# Altium PCB Urukul.PcbDoc (part 7 of 12) (continued)
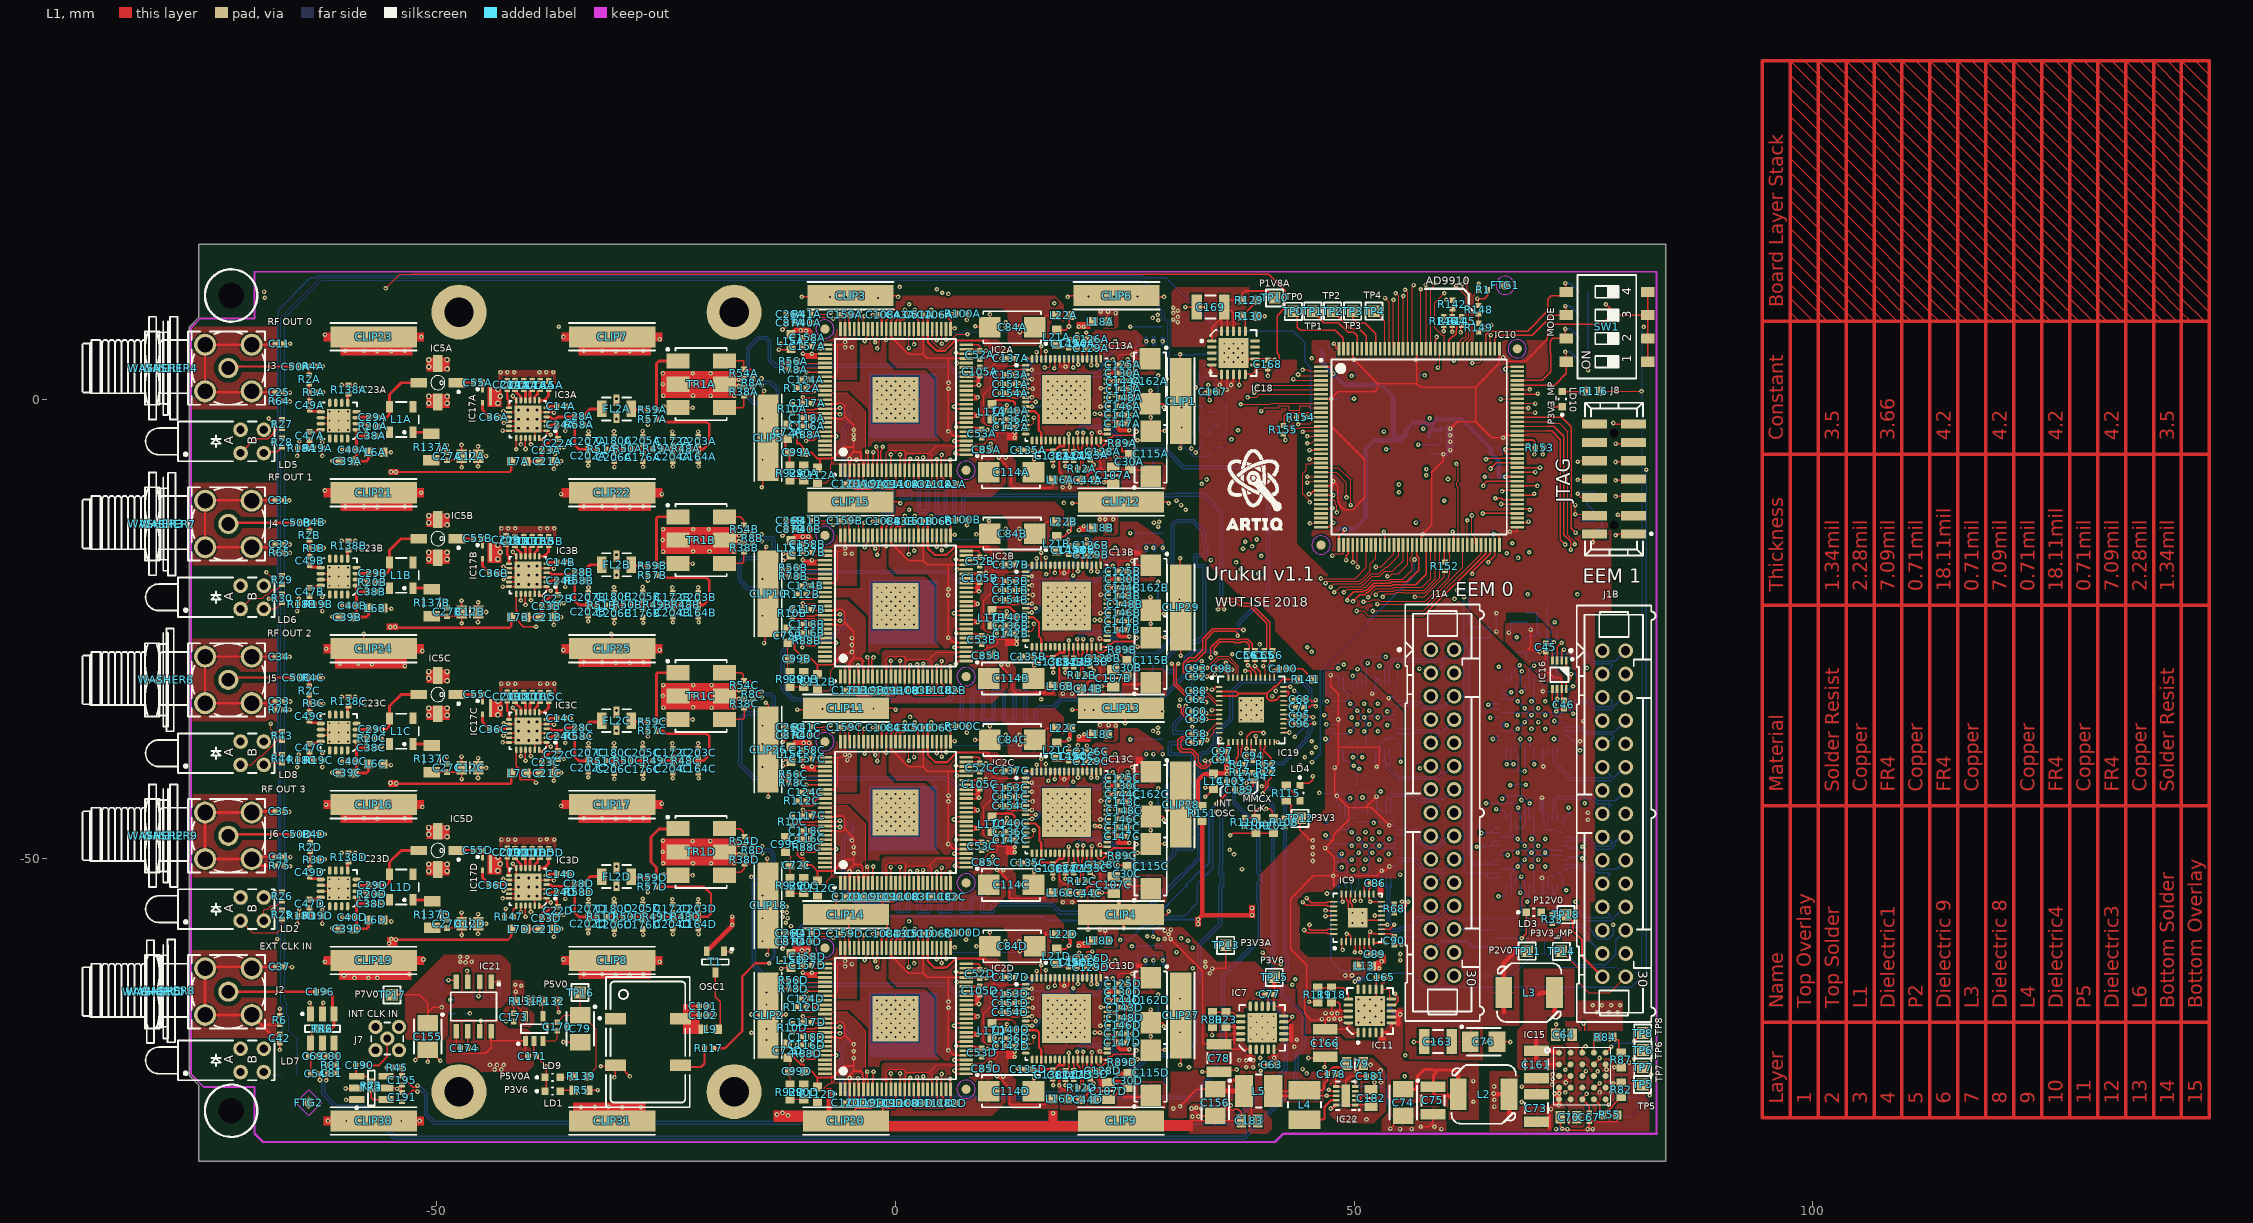
[diagram p0: L1 view]
## Nets (pads, with @x,y where several pads share a name; then routed paths per layer and width w, separated by ;. In a path a pad name is that pad's centre, name@x,y a point inside that pad or via, vN(x,y) a via of type N, cw(c..) or ccw(c..) an arc to the next point about the centre after c; other vN are vias at no path point) (continued)
I2C_SDAB: IC8B.3 J1B.26 | length 10.2
  L6 w0.152: IC8B.3@73.4,-59.578 73.4,-60.663 74.362,-61.626 77.445,-61.626 78.529,-60.542 78.529,-58.944 J1B.26@79.62,-57.853
IFC_MODE_SEL0: IC10.104 R111.2 SW1.8 | length 10.2
  L1 w0.152: IC10.104@67.8,1.597 71.871,1.597 73.13,2.856 SW1.8@73.13,4.132 73.13,5.107 v1(73.029,5.208)
  L6 w0.152: v1(73.029,5.208) 73.594,5.208 R111.2@74.61,4.192
IFC_MODE_SEL1: IC10.105 R83.2 SW1.7 | length 12.4
  L1 w0.152: IC10.105@67.8,2.097 70.517,2.097 71.447,3.027 71.447,4.989 71.37,5.065 71.37,6.354 71.688,6.672 SW1.7@73.13,6.672 73.029,6.774 v1(73.029,7.708)
  L6 w0.152: v1(73.029,7.708) 73.594,7.708 R83.2@74.61,6.692
IFC_MODE_SEL2: IC10.110 R85.2 SW1.6 | length 13
  L1 w0.152: IC10.110@65.35,5.547 65.35,6.709 65.665,7.025 69.45,7.025 71.638,9.212 SW1.6@73.13,9.212 73.13,10.107 v1(73.029,10.208)
  L6 w0.152: v1(73.029,10.208) 73.594,10.208 R85.2@74.61,9.192
IFC_MODE_SEL3: IC10.112 R86.2 SW1.5 | length 16
  L1 w0.152: IC10.112@64.35,5.547 64.35,7.104 64.735,7.489 65.11,7.489 65.126,7.473 68.933,7.473 71.142,9.682 71.142,10.977 71.523,11.358 72.736,11.358 SW1.5@73.13,11.752 73.13,12.607 v1(73.029,12.708)
  L6 w0.152: v1(73.029,12.708) 73.594,12.708 R86.2@74.61,11.692
IN_SEL: IC10.12 R154.1 T1.1 | length 246.9
  L1 w0.152: T1.1@-18.684,-60.166 -18.675,-60.175 v1(-17.907,-60.175) ; R154.1@44.666,-1.93 v1(45.263,-1.93) 46.372,-1.93 IC10.12@46.4,-1.903
  L4 w0.152: v1(-67.412,-58.826) -58.852,-58.826 -57.201,-60.477 -53.67,-60.477 -52.883,-59.69 -34.62,-59.69 -34.163,-60.147 -17.935,-60.147 v1(-17.907,-60.175)
  L6 w0.152: v1(-67.412,-58.826) -67.386,-58.801 -67.386,-53.989 -67.237,-53.84 -67.237,-53.465 -67.238,-38.84 -67.237,-38.465 -67.386,-38.316 -67.386,9.677 -63.794,13.269 -63.127,13.269 -62.861,13.536 27.029,13.536 27.296,13.269 29.504,13.269 35.306,7.468 43.383,7.468 44.602,6.248 44.602,4.166 45.263,3.505 v1(45.263,-1.93)
LED0: IC10.128 R27.1 | length 146.9
  L1 w0.127: v1@-68.4,-2.153 -68.37,-2.183 -68.355,-2.183 R27.1@-66.9,-2.183 ; IC10.128@56.35,5.547 56.35,12.35 v1(56.5,12.5)
  L4 w0.127: v1(-68.355,-2.052) -68.355,9.668 -66.664,11.359 -66.664,11.478 -65.015,13.127 55.873,13.127 v1(56.5,12.5)
LED1: IC10.126 R28.1 | length 149
  L1 w0.127: v1@-67.853,-4.552 -67.483,-4.183 R28.1@-66.9,-4.183 ; v1(57.273,12.044) 57.273,5.624 IC10.126@57.35,5.547
  L4 w0.127: v1(-67.9,-4.653) -67.889,-4.642 -67.889,-1.859 -67.999,-1.749 -67.999,9.29 -66.385,10.905 -66.385,11.363 -64.9,12.848 55.529,12.848 56.318,12.06 57.258,12.06 v1(57.273,12.044)
LED2: IC10.118 R29.1 | length 173.6
  L1 w0.127: v1(-68.609,-18.816) -68.242,-19.183 R29.1@-66.9,-19.183 ; v1(61.109,12.425) 62.247,11.287 62.247,10.526 62.248,10.524 62.248,6.833 62.157,6.742 61.875,6.742 61.51,6.376 61.51,5.707 IC10.118@61.35,5.547
  L3 w0.127: v1(-68.847,11.782) -68.847,11.725 -69.238,11.335 -69.238,10.914 -68.711,10.387 -68.711,0.039 -68.57,-0.102 -68.57,-1.609 -68.607,-1.609 -70.4,-3.402 -70.4,-6.323 -68.57,-8.153 -68.57,-18.777 v1(-68.609,-18.816)
  L4 w0.127: v1(-68.847,11.782) -67.149,11.782 -65.246,13.685 59.849,13.685 v1(61.109,12.425)
LED3: IC10.125 R30.1 | length 170.7
  L1 w0.127: v1(-68.324,-21.714) -67.431,-21.714 R30.1@-66.9,-21.183 ; v1(57.807,12.552) 57.85,12.509 IC10.125@57.85,5.547
  L3 w0.127: v1(-68.772,11.107) -68.584,11.107 -68.432,10.954 -68.432,1.025 -67.762,0.356 -67.762,-4.168 -67.459,-4.47 -67.459,-6.712 -68.244,-7.496 -68.244,-18.522 -67.889,-18.877 -67.889,-20.693 -68.324,-21.128 v1(-68.324,-21.714)
  L4 w0.127: v1(-68.772,11.107) -68.613,11.266 -67.151,11.266 -66.943,11.474 -66.943,11.594 -65.131,13.406 56.953,13.406 v1(57.807,12.552)
LED4: IC10.116 R43.1 | length 190.3
  L1 w0.127: v1(-68.126,-35.326) -68.126,-35.948 -67.892,-36.183 R43.1@-66.9,-36.183 ; v1(62.303,13.06) 62.35,13.013 62.35,11.902 62.756,11.496 62.756,11.312 62.755,11.311 62.755,10.736 62.756,10.735 62.756,6.623 62.35,6.217 IC10.116@62.35,5.547
  L3 w0.127: v1(-68.126,-35.326) -67.971,-35.171 -68.249,-34.894 -68.249,-23.592 -67.635,-22.979 -67.635,-18.772 -67.864,-18.543 -67.864,-18.508 -67.965,-18.407 -67.965,-7.612 -67.205,-6.852 -67.205,-4.365 -67.483,-4.087 -67.483,0.472 -68.153,1.141 -68.153,12.82 -67.288,13.685 -48.67,13.685 -48.633,13.647 61.715,13.647 v1(62.303,13.06)
LED5: IC10.117 R44.1 | length 190.8
  L1 w0.127: v1(-67.69,-38.653) -66.93,-38.653 R44.1@-66.9,-38.683 ; v1(61.82,12.603) 61.85,12.573 61.85,12.043 62.501,11.392 62.501,10.631 62.502,10.63 62.502,6.728 62.262,6.488 62.121,6.488 61.85,6.217 IC10.117@61.85,5.547
  L3 w0.127: v1(-67.69,-38.653) -67.66,-38.623 -67.66,-27.903 -67.686,-27.877 -67.686,-23.389 -67.381,-23.084 -67.381,-18.666 -67.585,-18.463 -67.585,-10.529 -67.686,-10.428 -67.686,-7.727 -66.951,-6.993 -66.951,-4.26 -67.204,-4.007 -67.204,0.587 -67.874,1.256 -67.874,12.213 -66.681,13.406 -48.786,13.406 -48.701,13.321 0.029,13.321 0.878,13.322 61.102,13.321 v1(61.82,12.603)
LED6: IC10.121 R25.1 | length 205
  L1 w0.127: v1(-67.9,-55.653) -67.87,-55.683 R25.1@-66.9,-55.683 ; IC10.121@59.85,5.547 59.831,5.567 59.831,7.03 59.808,7.053 59.609,7.053 58.826,7.835 58.826,10.576 v1(59.854,11.604)
  L3 w0.127: v1(-67.9,-55.653) -67.182,-54.935 -67.182,-54.829 -66.975,-54.622 -66.975,-44.184 -67.128,-44.031 -67.128,-39.072 -66.996,-38.94 -66.996,-38.365 -67.128,-38.233 -67.128,-35.775 -66.873,-35.521 -66.873,-18.456 -67.027,-18.302 -67.027,-7.869 -66.443,-7.285 -66.443,-4.049 -66.646,-3.847 -66.646,0.818 -67.316,1.488 -67.316,11.982 -66.45,12.848 -49.017,12.848 -48.932,12.763 0.26,12.763 0.646,12.764 4.219,12.763 55.614,12.764 56.318,12.06 56.44,12.06 56.896,11.604 v1(59.854,11.604)
LED7: IC10.124 R26.1 | length 202
  L1 w0.127: v1(-67.69,-53.653) -66.93,-53.653 R26.1@-66.9,-53.683 ; IC10.124@58.35,5.547 58.35,12.028 58.75,12.428 v1(58.75,12.75)
  L3 w0.127: v1(-67.69,-53.653) -67.69,-39.276 -67.25,-38.835 -67.25,-38.47 -67.382,-38.338 -67.382,-35.635 -67.127,-35.38 -67.127,-18.561 -67.306,-18.383 -67.306,-10.413 -67.407,-10.312 -67.407,-7.843 -66.697,-7.133 -66.697,-4.155 -66.925,-3.927 -66.925,0.703 -67.595,1.372 -67.595,12.097 -66.565,13.127 -48.901,13.127 -48.816,13.042 0.145,13.042 ; 0.145,13.043 0.762,13.043 ; 0.763,13.042 58.458,13.042 v1(58.75,12.75)
LOOP_FILTER1A: C112A.2 IC2A.2 R90A.2 | length 8.4
  L1 w0.127: R90A.2@-10,-7.2 -9.25,-7.95 -9.25,-8.3 C112A.2@-8.5,-9.05 ; C112A.2@-8.375,-8.925 -8.25,-9.05 -7.55,-9.05 -7.052,-8.552 -7.052,-7.078 -6.502,-6.528 -5.625,-6.528 -5.5,-6.653 IC2A.2@-5.5,-7.7
LOOP_FILTER1B: C112B.2 IC2B.2 R90B.2 | length 9
  L1 w0.127: R90B.2@-10,-29.7 -9.409,-30.291 -9.459,-30.291 -9.25,-30.5 -9.25,-30.8 C112B.2@-8.5,-31.55 -8.3,-31.75 -7.25,-31.75 -7.052,-31.552 -7.052,-29.578 -6.502,-29.028 -5.625,-29.028 -5.5,-29.153 IC2B.2@-5.5,-30.2
LOOP_FILTER1C: C112C.2 IC2C.2 R90C.2 | length 8
  L1 w0.127: R90C.2@-10,-52.2 -9.25,-52.95 -9.25,-53.25 -8.5,-54 C112C.2@-8.5,-54.05 -7.884,-53.434 -7.934,-53.434 -7.5,-53 -7.5,-52.526 -6.502,-51.528 -5.625,-51.528 -5.5,-51.653 IC2C.2@-5.5,-52.7
LOOP_FILTER1D: C112D.2 IC2D.2 R90D.2 | length 7.9
  L1 w0.127: R90D.2@-9.75,-74.75 -9.75,-75 -9.25,-75.5 -9.25,-75.75 -8.5,-76.5 C112D.2@-8.5,-76.55 -7.75,-75.8 -7.75,-75.033 -7.294,-74.578 -7.052,-74.578 -6.502,-74.028 -5.625,-74.028 -5.5,-74.153 IC2D.2@-5.5,-75.2
LOOP_FILTERA: C30A.2 IC13A.31 R89A.1 R140A.2 | length 9.8
  L1 w0.203: IC13A.31@21.89,-4.45 21.89,-4.8 22.219,-5.129 22.557,-5.129 22.881,-4.805 23.162,-4.805 23.312,-4.655 23.79,-4.655 23.79,-4.753 R89A.1@24.28,-4.753 24.711,-5.184 24.711,-5.622 24.692,-5.642 25.192,-5.642 C30A.2@25.5,-5.95 25.5,-6 25.25,-6.25 v1(24,-6.25)
  L6 w0.203: v1(24,-6.25) 24,-6.75 R140A.2@26.45,-6.75
LOOP_FILTERB: C30B.2 IC13B.31 R89B.1 R140B.2 | length 8
  L1 w0.203: IC13B.31@21.89,-26.95 21.89,-27.3 22.219,-27.629 22.557,-27.629 22.881,-27.305 23.162,-27.305 23.312,-27.155 23.79,-27.155 23.79,-27.253 R89B.1@24.28,-27.253 24.435,-27.407 24.435,-27.713 ; v1(24.257,-28.524) 24.282,-28.499 24.282,-27.94 24.435,-27.788 24.435,-27.713 ; C30B.2@25.25,-28.45 25.172,-28.45 24.435,-27.713
  L6 w0.203: v1@24.25,-28.75 24.5,-29 R140B.2@26.45,-29
LOOP_FILTERC: C30C.2 IC13C.31 R89C.1 R140C.2 | length 7.2
  L1 w0.152: v1(24.25,-50.75) 24.8,-50.75 C30C.2@25,-50.95
  L1 w0.203: IC13C.31@21.89,-49.45 21.89,-49.8 22.219,-50.129 22.557,-50.129 22.881,-49.805 23.162,-49.805 23.312,-49.655 23.79,-49.655 23.79,-49.753 R89C.1@24.28,-49.753 v1@24.28,-50.678
  L6 w0.152: v1(24.25,-50.75) 24.25,-51 25,-51.75 R140C.2@25.95,-51.75
LOOP_FILTERD: C30D.2 IC13D.31 R89D.1 R140D.2 | length 8.8
  L1 w0.152: v1(24.25,-73.5) 24.3,-73.45 C30D.2@25,-73.45
  L1 w0.203: IC13D.31@21.89,-71.95 21.89,-72.3 22.219,-72.629 22.557,-72.629 22.881,-72.305 23.162,-72.305 23.312,-72.155 23.79,-72.155 23.79,-72.253 R89D.1@24.28,-72.253 24.25,-72.283 v1(24.25,-73.5)
  L6 w0.152: v1(24.25,-73.5) 27.45,-73.5 R140D.2@27.7,-73.25
LVDS0A_N: IC1A.48 J1A.3 R7A.2 | length 10.1
  L6 w0.152: IC1A.48@53.85,-31.203 53.85,-30.003 53.85,-29.101 53.852,-29.099 53.852,-29.002 54.284,-28.571 54.574,-28.571 54.581,-28.564 54.977,-28.564 54.983,-28.571 57.801,-28.571 57.825,-28.595 59.431,-28.595 59.736,-28.9 59.738,-28.9 58.836,-29.802 J1A.3@58.377,-29.802
LVDS0A_P: IC1A.47 J1A.2 R7A.1 | length 10.6
  L6 w0.152: IC1A.47@53.35,-31.203 53.35,-30.003 53.35,-29.296 53.545,-29.101 53.545,-28.975 53.548,-28.973 53.548,-28.876 54.158,-28.266 54.448,-28.266 54.454,-28.259 55.103,-28.259 55.11,-28.266 57.927,-28.266 57.951,-28.29 59.557,-28.29 59.699,-28.431 59.748,-28.431 J1A.2@60.917,-27.262
LVDS0B_N: IC1B.48 IC4.5 J1B.3 R7B.2 | length 11.3
  L6 w0.152: IC1B.48@72.1,-30.953 72.1,-29.973 R7B.2@72.32,-29.753 72.05,-29.483 IC4.5@72.05,-28.603 72.05,-28.008 72.612,-28.008 72.693,-28.089 75.298,-28.089 75.924,-28.716 76.014,-28.805 78.14,-28.805 78.14,-29.065 77.521,-29.684 77.261,-29.684 77.261,-29.732 J1B.3@77.08,-29.913
LVDS0B_P: IC1B.47 IC4.6 J1B.2 R7B.1 | length 12.2
  L6 w0.152: IC1B.47@71.6,-30.953 71.6,-29.973 R7B.1@71.38,-29.753 71.55,-29.583 IC4.6@71.55,-28.603 71.55,-27.97 71.924,-27.597 72.176,-27.597 72.185,-27.605 72.604,-27.605 72.702,-27.703 72.738,-27.703 72.819,-27.784 75.424,-27.784 76.14,-28.5 78.493,-28.5 J1B.2@79.62,-27.373
LVDS1A_N: IC1A.4 J1A.6 R9A.2 | length 7.4
  L6 w0.152: IC1A.4@54.55,-33.403 55.812,-33.403 R9A.2@55.983,-33.403 ; R9A.2@55.812,-33.574 R9A.2@55.983,-33.403 ; J1A.6@60.917,-32.342 59.532,-33.727 57.502,-33.727 57.07,-33.295 56.09,-33.295 R9A.2@55.983,-33.403
LVDS1A_P: IC1A.3 J1A.5 R9A.1 | length 6.7
  L6 w0.152: IC1A.3@54.55,-32.903 55.812,-32.903 56.08,-32.903 56.168,-32.99 56.318,-32.99 56.357,-32.951 56.911,-32.951 56.95,-32.99 57.196,-32.99 57.628,-33.422 59.229,-33.422 59.458,-33.192 58.608,-32.342 J1A.5@58.377,-32.342
LVDS1B_N: IC1B.4 IC16.5 J1B.6 R9B.2 | length 10.8
  L1 w0.152: IC16.5@71.64,-31.55 71.64,-32.357 71.598,-32.399 71.598,-32.796 71.958,-33.156 72.052,-33.25 v1(71.864,-33.25)
  L6 w0.152: v1(71.864,-33.25) 71.89,-33.25 71.987,-33.153 IC1B.4@72.8,-33.153 73.479,-33.153 ; 73.479,-33.116 73.54,-33.055 73.975,-33.055 75.445,-33.055 76.195,-33.805 78.016,-33.805 79.368,-32.453 J1B.6@79.62,-32.453
LVDS1B_P: IC1B.3 IC16.6 J1B.5 R9B.1 | length 9.3
  L1 w0.152: v1@72.14,-32.651 72.14,-32.618 IC16.6@72.14,-31.55
  L6 w0.152: v1(72.155,-32.618) 72.108,-32.618 72.074,-32.653 72.155,-32.653 IC1B.3@72.8,-32.653 73.377,-32.653 73.475,-32.75 73.975,-32.75 75.571,-32.75 76.321,-33.5 77.89,-33.5 78.14,-33.25 78.14,-32.9 77.692,-32.453 J1B.5@77.08,-32.453
LVDS2A_N: IC1A.10 J1A.9 R11A.2 | length 6.3
  L6 w0.152: IC1A.10@54.55,-36.403 55.75,-36.403 56.581,-36.403 56.654,-36.33 59.216,-36.33 59.382,-36.495 59.303,-36.495 J1A.9@58.377,-37.422
LVDS2A_P: IC1A.9 J1A.8 R11A.1 | length 7.1
  L6 w0.152: IC1A.9@54.55,-35.903 55.75,-35.903 56.531,-35.903 56.654,-36.025 59.342,-36.025 59.597,-36.28 59.597,-36.202 J1A.8@60.917,-34.882
LVDS2B_N: IC1B.10 J1B.9 R11B.2 | length 7.5
  L6 w0.152: IC1B.10@72.8,-36.153 73.95,-36.153 74.507,-36.153 74.597,-36.063 ; 74.597,-36.055 74.89,-36.055 75.335,-36.5 78.113,-36.5 78.33,-36.718 78.33,-36.799 77.597,-37.533 J1B.9@77.08,-37.533
LVDS2B_P: IC1B.9 J1B.8 R11B.1 | length 7.5
  L6 w0.152: IC1B.9@72.8,-35.653 73.95,-35.653 74.542,-35.653 74.622,-35.732 ; 74.622,-35.75 75.016,-35.75 75.461,-36.195 78.417,-36.195 J1B.8@79.62,-34.993
LVDS3A_N: IC1A.14 J1A.12 R13A.2 | length 10.8
  L6 w0.152: IC1A.14@53.35,-38.103 53.35,-39.083 R13A.2@53.155,-39.278 53.473,-39.595 53.473,-40.101 54.769,-41.398 59.279,-41.398 60.715,-39.962 J1A.12@60.917,-39.962
LVDS3A_P: IC1A.13 J1A.11 R13A.1 | length 10
  L6 w0.152: IC1A.13@53.85,-38.103 53.85,-39.033 R13A.1@54.095,-39.278 53.777,-39.595 53.777,-39.975 54.895,-41.093 59.153,-41.093 59.534,-40.712 59.534,-40.583 58.912,-39.962 J1A.11@58.377,-39.962
LVDS3B_N: IC1B.14 J1B.12 R13B.2 | length 11.2
  L6 w0.152: IC1B.14@71.6,-37.853 71.6,-38.579 71.698,-38.676 71.698,-39.053 71.698,-39.626 71.879,-39.807 71.879,-39.821 72.057,-40 72.071,-40 73.626,-41.555 78.016,-41.555 79.498,-40.073 J1B.12@79.62,-40.073
LVDS3B_P: IC1B.13 J1B.11 R13B.1 | length 10
  L6 w0.152: IC1B.13@72.1,-37.853 72.1,-39.053 72.1,-39.598 73.752,-41.25 77.89,-41.25 78.14,-41 78.008,-41 J1B.11@77.08,-40.073
LVDS4A_N: IC6A.48 J1A.15 R16A.2 | length 9.2
  L6 w0.152: IC6A.48@54,-45.203 54,-44.003 54,-43.33 54.026,-43.305 54.079,-43.252 56.511,-43.252 57.096,-43.836 59.154,-43.836 59.382,-44.064 59.382,-44.267 58.607,-45.042 J1A.15@58.377,-45.042
LVDS4A_P: IC6A.47 J1A.14 R16A.1 | length 10.2
  L6 w0.152: IC6A.47@53.5,-45.203 53.5,-44.476 53.492,-44.476 53.492,-44.115 R16A.1@53.38,-44.003 53.38,-43.868 53.695,-43.553 53.695,-43.204 53.698,-43.202 53.952,-42.947 56.638,-42.947 57.222,-43.531 59.888,-43.531 J1A.14@60.917,-42.502
LVDS4B_N: IC6B.48 J1B.15 R16B.2 | length 10
  L6 w0.152: IC6B.48@72.1,-45.953 72.1,-45.226 72.002,-45.129 72.002,-44.753 72.002,-43.75 72.252,-43.5 75.89,-43.5 76.445,-44.055 77.906,-44.055 78.042,-44.191 J1B.15@77.08,-45.153
LVDS4B_P: IC6B.47 J1B.14 R16B.1 | length 11.2
  L6 w0.152: IC6B.47@71.6,-45.953 71.6,-45.226 71.698,-45.129 71.698,-44.753 71.698,-43.624 72.126,-43.195 76.016,-43.195 76.571,-43.75 78.483,-43.75 J1B.14@79.62,-42.613
LVDS5A_N: IC6A.4 J1A.18 R21A.2 | length 8.5
  L6 w0.152: IC6A.4@54.7,-47.403 55.426,-47.403 55.356,-47.473 ; 55.289,-47.473 55.356,-47.473 ; J1A.18@60.917,-47.582 60.259,-47.582 59.839,-48.002 59.839,-48.356 59.279,-48.916 57.757,-48.916 56.842,-48.001 56.842,-47.231 56.765,-47.155 56.193,-47.155 R21A.2@55.875,-47.473 55.356,-47.473
LVDS5A_P: IC6A.3 J1A.17 R21A.1 | length 8
  L6 w0.152: IC6A.3@54.7,-46.903 55.505,-46.903 R21A.1@55.875,-46.533 56.193,-46.85 56.892,-46.85 57.146,-47.105 57.146,-47.875 57.883,-48.611 59.153,-48.611 59.534,-48.23 59.534,-48.002 59.114,-47.582 J1A.17@58.377,-47.582
LVDS5B_N: IC6B.4 J1B.18 R21B.2 | length 8
  L6 w0.152: IC6B.4@72.8,-48.153 73.526,-48.153 73.624,-48.055 74,-48.055 75.39,-48.055 76.335,-49 78.016,-49 78.445,-48.571 78.445,-48.25 79.002,-47.693 J1B.18@79.62,-47.693
LVDS5B_P: IC6B.3 J1B.17 R21B.1 | length 7.4
  L6 w0.152: IC6B.3@72.8,-47.653 73.526,-47.653 73.624,-47.75 74,-47.75 75.516,-47.75 76.461,-48.695 77.89,-48.695 78.14,-48.445 78.14,-48.25 77.583,-47.693 J1B.17@77.08,-47.693
LVDS6A_N: IC6A.10 J1A.21 R24A.2 | length 7.5
  L6 w0.152: IC6A.10@54.7,-50.403 55.253,-50.403 55.35,-50.305 55.875,-50.305 56.588,-50.305 57.197,-50.915 57.197,-51.1 57.63,-51.532 59.51,-51.532 59.661,-51.684 59.661,-51.938 58.937,-52.662 J1A.21@58.377,-52.662
LVDS6A_P: IC6A.9 J1A.20 R24A.1 | length 7.3
  L6 w0.152: IC6A.9@54.7,-49.903 55.239,-49.903 55.336,-50 55.875,-50 56.714,-50 57.502,-50.788 57.502,-50.973 57.756,-51.227 59.811,-51.227 J1A.20@60.917,-50.122
LVDS6B_N: IC6B.10 J1B.21 R24B.2 | length 6.8
  L6 w0.152: IC6B.10@72.8,-51.153 73.526,-51.153 73.624,-51.055 74,-51.055 75.39,-51.055 75.835,-51.5 76.462,-51.5 76.528,-51.566 77.755,-51.566 77.915,-51.725 77.08,-52.56 J1B.21@77.08,-52.773
LVDS6B_P: IC6B.9 J1B.20 R24B.1 | length 7.5
  L6 w0.152: IC6B.9@72.8,-50.653 73.526,-50.653 73.624,-50.75 74,-50.75 76.144,-50.75 76.654,-51.261 77.506,-51.261 77.572,-51.195 78.657,-51.195 J1B.20@79.62,-50.233
LVDS7A_N: IC6A.14 IC9.11 J1A.24 R35A.2 | length 15.2
  L1 w0.152: IC9.11@52.99,-57.25 v1(53.64,-57.25)
  L6 w0.152: R35A.2@53.28,-53.278 53.5,-53.058 53.5,-52.829 ; IC6A.14@53.5,-52.103 53.5,-52.829 ; v1@53.598,-57.139 53.598,-53.278 53.598,-52.926 53.5,-52.829 ; v1@53.674,-57.216 53.87,-57.411 53.87,-57.753 54.15,-58.034 54.936,-58.034 55.165,-57.805 56.024,-57.805 56.113,-57.716 57.14,-56.688 59.152,-56.688 60.639,-55.202 J1A.24@60.917,-55.202
LVDS7A_P: IC6A.13 IC9.10 J1A.23 R35A.1 | length 15.1
  L1 w0.152: IC9.10@52.99,-57.75 53.89,-57.75 v1(54.39,-57.25)
  L6 w0.152: IC6A.13@54,-52.103 54,-52.829 ; R35A.1@54.22,-53.278 54,-53.058 54,-52.829 ; v1@54.251,-57.373 54.175,-57.449 54.175,-57.627 54.277,-57.729 54.81,-57.729 55.039,-57.5 55.897,-57.5 57.014,-56.384 59.026,-56.384 59.382,-56.028 59.203,-56.028 J1A.23@58.377,-55.202 ; v1@54.308,-57.241 53.902,-56.836 53.902,-53.278 53.902,-52.926 54,-52.829
LVDS7B_N: IC6B.14 J1B.24 R35B.2 | length 11.5
  L6 w0.152: IC6B.14@71.6,-52.853 71.6,-53.579 71.698,-53.676 71.698,-54.057 71.698,-55.126 72.655,-56.083 74.626,-56.083 75.348,-56.805 78.016,-56.805 79.508,-55.313 J1B.24@79.62,-55.313
LVDS7B_P: IC6B.13 J1B.23 R35B.1 | length 10.3
  L6 w0.152: IC6B.13@72.1,-52.853 72.1,-53.579 72.002,-53.676 72.002,-54.057 72.002,-55 72.781,-55.778 74.752,-55.778 75.474,-56.5 77.89,-56.5 78.018,-56.372 78.018,-56.25 J1B.23@77.08,-55.313
MASTER_RESET: IC2A.14 IC2B.14 IC2C.14 IC2D.14 IC10.102 | length 178.7
  L1 w0.152: IC2D.14@0.5,-75.2 v1(0.5,-73.478) ; IC2C.14@0.5,-52.7 v1(0.5,-50.978) ; IC2B.14@0.5,-30.2 v1(0.5,-28.478) ; IC2A.14@0.5,-7.7 v1(0.5,-5.978) ; IC10.102@67.8,0.597 69.965,0.597 v1(70.028,0.66)
  L3 w0.152: v1(0.5,-73.478) 3.25,-70.728 3.25,-64.75 0.5,-62 v1(0.5,-50.978) 0.5,-50 2.75,-47.75 2.75,-42.5 0.507,-40.257 0.507,-28.484 v1(0.5,-28.478) 2.75,-26.228 2.75,-20 0.5,-17.75 0.5,-11.939 0.051,-11.49 0.051,-11.094 0.5,-10.645 v1(0.5,-5.978) 0.5,-5.291 2.87,-2.921 2.87,11.735 3.531,12.395 4.228,12.395 4.33,12.497 4.705,12.497 4.807,12.395 5.69,12.395 5.715,12.421 51.41,12.421 52.934,10.896 52.934,10.891 53.716,10.109 67.945,10.109 70.028,8.026 v1(70.028,0.66)
  L4 w0.152: v1(0.5,-28.478) v1@0.732,-28.478
NetC1_2: C1.2 IC4.1 R32.1 R36.1 R39.2 | length 6.4
  L6 w0.152: R32.1@68.7,-26.583 68.7,-26.093 69.075,-25.718 69.735,-25.718 70,-25.453 ; R36.1@68.75,-23.258 R39.2@70.075,-23.258 ; R39.2@70.155,-23.178 R39.2@70.075,-23.258 ; IC4.1@70.55,-25.503 70.2,-25.503 70.2,-25.478 70.225,-25.453 70,-25.453 ; 70,-25.453 70,-24.303 C1.2@69.975,-24.278 69.975,-23.358 R39.2@70.075,-23.258
NetC14A_2: C14A.2 IC3A.6 | length 1.2
  L1 w0.3: IC3A.6@-38.05,-0.878 -37.9,-0.728 C14A.2@-36.95,-0.728
NetC14B_2: C14B.2 IC3B.6 | length 1.2
  L1 w0.3: IC3B.6@-38.05,-17.878 -37.9,-17.728 C14B.2@-36.95,-17.728
NetC14C_2: C14C.2 IC3C.6 | length 1.2
  L1 w0.3: IC3C.6@-38.05,-34.878 -37.9,-34.728 C14C.2@-36.95,-34.728
NetC14D_2: C14D.2 IC3D.6 | length 1.2
  L1 w0.3: IC3D.6@-38.05,-51.878 -37.9,-51.728 C14D.2@-36.95,-51.728
NetC15A_2: C15A.2 IC3A.7 | length 2
  L1 w0.3: IC3A.7@-38.85,-0.078 -38.3,-0.078 -37.829,0.394 C15A.2@-37.829,1.137
NetC15B_2: C15B.2 IC3B.7 | length 2
  L1 w0.3: IC3B.7@-38.85,-17.078 -38.3,-17.078 -37.829,-16.606 C15B.2@-37.829,-15.863
NetC15C_2: C15C.2 IC3C.7 | length 2
  L1 w0.3: IC3C.7@-38.85,-34.078 -38.3,-34.078 -37.829,-33.606 C15C.2@-37.829,-32.863
NetC15D_2: C15D.2 IC3D.7 | length 2
  L1 w0.3: IC3D.7@-38.85,-51.078 -38.3,-51.078 -37.829,-50.606 C15D.2@-37.829,-49.863
NetC16A_2: C16A.2 IC3A.8 | length 1.5
  L1 w0.3: IC3A.8@-39.35,-0.078 -39.35,0.272 -39.017,0.606 -39.017,0.872 -38.752,1.137 C16A.2@-38.729,1.137
NetC16B_2: C16B.2 IC3B.8 | length 1.5
  L1 w0.3: IC3B.8@-39.35,-17.078 -39.35,-16.728 -39.017,-16.394 -39.017,-16.128 -38.752,-15.863 C16B.2@-38.729,-15.863
NetC16C_2: C16C.2 IC3C.8 | length 1.5
  L1 w0.3: IC3C.8@-39.35,-34.078 -39.35,-33.728 -39.017,-33.394 -39.017,-33.128 -38.752,-32.863 C16C.2@-38.729,-32.863
NetC16D_2: C16D.2 IC3D.8 | length 1.5
  L1 w0.3: IC3D.8@-39.35,-51.078 -39.35,-50.728 -39.017,-50.394 -39.017,-50.128 -38.752,-49.863 C16D.2@-38.729,-49.863
NetC17A_2: C17A.2 IC3A.9 | length 1.3
  L1 w0.3: IC3A.9@-39.85,-0.078 -39.85,0.916 C17A.2@-39.629,1.137
NetC17B_2: C17B.2 IC3B.9 | length 1.3
  L1 w0.3: IC3B.9@-39.85,-17.078 -39.85,-16.084 C17B.2@-39.629,-15.863
NetC17C_2: C17C.2 IC3C.9 | length 1.3
  L1 w0.3: IC3C.9@-39.85,-34.078 -39.85,-33.084 C17C.2@-39.629,-32.863
NetC17D_2: C17D.2 IC3D.9 | length 1.3
  L1 w0.3: IC3D.9@-39.85,-51.078 -39.85,-50.084 C17D.2@-39.629,-49.863
NetC18A_2: C18A.2 IC3A.10 | length 1.3
  L1 w0.3: C18A.2@-40.554,1.137 -40.35,0.933 IC3A.10@-40.35,-0.078
NetC18B_2: C18B.2 IC3B.10 | length 1.3
  L1 w0.3: C18B.2@-40.554,-15.863 -40.35,-16.067 IC3B.10@-40.35,-17.078
NetC18C_2: C18C.2 IC3C.10 | length 1.3
  L1 w0.3: C18C.2@-40.554,-32.863 -40.35,-33.067 IC3C.10@-40.35,-34.078
NetC18D_2: C18D.2 IC3D.10 | length 1.3
  L1 w0.3: C18D.2@-40.554,-49.863 -40.35,-50.067 IC3D.10@-40.35,-51.078
NetC19A_2: C19A.2 IC3A.11 | length 1.5
  L1 w0.3: C19A.2@-41.504,1.137 -41.504,0.949 -41.496,0.949 -40.85,0.303 IC3A.11@-40.85,-0.078
NetC19B_2: C19B.2 IC3B.11 | length 1.5
  L1 w0.3: C19B.2@-41.504,-15.863 -41.504,-16.051 -41.496,-16.051 -40.85,-16.697 IC3B.11@-40.85,-17.078
NetC19C_2: C19C.2 IC3C.11 | length 1.5
  L1 w0.3: C19C.2@-41.504,-32.863 -41.504,-33.051 -41.496,-33.051 -40.85,-33.697 IC3C.11@-40.85,-34.078
NetC19D_2: C19D.2 IC3D.11 | length 1.5
  L1 w0.3: C19D.2@-41.504,-49.863 -41.504,-50.051 -41.496,-50.051 -40.85,-50.697 IC3D.11@-40.85,-51.078
NetC20A_2: C20A.2 IC3A.13 | length 2.1
  L1 w0.3: C20A.2@-42.35,1.172 -42.35,0.122 -42.15,-0.078 IC3A.13@-42.15,-0.878
NetC20B_2: C20B.2 IC3B.13 | length 2.1
  L1 w0.3: C20B.2@-42.35,-15.828 -42.35,-16.878 -42.15,-17.078 IC3B.13@-42.15,-17.878
NetC20C_2: C20C.2 IC3C.13 | length 2.1
  L1 w0.3: C20C.2@-42.35,-32.828 -42.35,-33.878 -42.15,-34.078 IC3C.13@-42.15,-34.878
NetC20D_2: C20D.2 IC3D.13 | length 2.1
  L1 w0.3: C20D.2@-42.35,-49.828 -42.35,-50.878 -42.15,-51.078 IC3D.13@-42.15,-51.878
NetC21A_2: C21A.2 C22A.2 C23A.2 C24A.2 IC3A.2 L7A.2 | length 8.2
  L1 w0.3: L7A.2@-40.3,-6.728 C21A.2@-38.75,-6.728 -38.55,-6.528 C23A.2@-38.55,-5.528 -38.55,-5.018 -38.462,-4.93 -38.122,-4.93 -37.571,-4.38 -36.902,-4.38 C22A.2@-36.8,-4.278 -36.95,-4.128 C24A.2@-36.95,-2.728 -37.46,-2.728 -37.46,-2.85 -37.488,-2.878 IC3A.2@-38.05,-2.878
NetC21B_2: C21B.2 C22B.2 C23B.2 C24B.2 IC3B.2 L7B.2 | length 8.2
  L1 w0.3: L7B.2@-40.3,-23.728 C21B.2@-38.75,-23.728 -38.55,-23.528 C23B.2@-38.55,-22.528 -38.55,-22.018 -38.462,-21.93 -38.122,-21.93 -37.571,-21.38 -36.902,-21.38 C22B.2@-36.8,-21.278 -36.95,-21.128 C24B.2@-36.95,-19.728 -37.46,-19.728 -37.46,-19.85 -37.488,-19.878 IC3B.2@-38.05,-19.878
NetC21C_2: C21C.2 C22C.2 C23C.2 C24C.2 IC3C.2 L7C.2 | length 8.2
  L1 w0.3: L7C.2@-40.3,-40.728 C21C.2@-38.75,-40.728 -38.55,-40.528 C23C.2@-38.55,-39.528 -38.55,-39.018 -38.462,-38.93 -38.122,-38.93 -37.571,-38.38 -36.902,-38.38 C22C.2@-36.8,-38.278 -36.95,-38.128 C24C.2@-36.95,-36.728 -37.46,-36.728 -37.46,-36.85 -37.488,-36.878 IC3C.2@-38.05,-36.878
NetC21D_2: C21D.2 C22D.2 C23D.2 C24D.2 IC3D.2 L7D.2 | length 8.2
  L1 w0.3: L7D.2@-40.3,-57.728 C21D.2@-38.75,-57.728 -38.55,-57.528 C23D.2@-38.55,-56.528 -38.55,-56.018 -38.462,-55.93 -38.122,-55.93 -37.571,-55.38 -36.902,-55.38 C22D.2@-36.8,-55.278 -36.95,-55.128 C24D.2@-36.95,-53.728 -37.46,-53.728 -37.46,-53.85 -37.488,-53.878 IC3D.2@-38.05,-53.878
NetC26A_2: C26A.2 R41A.1 | length 0.9
  L1 w0.127: C26A.2@-11.03,9.297 R41A.1@-10.15,9.297
NetC26B_2: C26B.2 R41B.1 | length 0.9
  L1 w0.127: C26B.2@-11.03,-13.203 R41B.1@-10.15,-13.203
NetC26C_2: C26C.2 R41C.1 | length 0.9
  L1 w0.127: C26C.2@-11.03,-35.703 R41C.1@-10.15,-35.703
NetC26D_2: C26D.2 R41D.1 | length 0.9
  L1 w0.127: C26D.2@-11.03,-58.203 R41D.1@-10.15,-58.203
NetC28A_1: C28A.1 FL2A.3 | length 2.4
  L1 w0.304: C28A.1@-34.08,-1.794 -33.289,-1.003 FL2A.3@-32.05,-1.003
NetC28A_2: C28A.2 IC3A.4 | length 3.3
  L1 w0.3: IC3A.4@-38.05,-1.878 -37.643,-1.878 -37.453,-2.068 -37.042,-2.068 -36.852,-1.878 -35.135,-1.878 C28A.2@-35.051,-1.794 ; C28A.2@-35.03,-1.773 C28A.2@-35.051,-1.794 ; C28A.2@-34.98,-1.794 C28A.2@-35.051,-1.794
NetC28B_1: C28B.1 FL2B.3 | length 2.4
  L1 w0.304: C28B.1@-34.08,-18.794 -33.289,-18.003 FL2B.3@-32.05,-18.003
NetC28B_2: C28B.2 IC3B.4 | length 3.4
  L1 w0.3: IC3B.4@-38.05,-18.878 -37.643,-18.878 -37.486,-19.035 -35.071,-19.035 -34.905,-18.869 C28B.2@-34.827,-18.791
NetC28C_1: C28C.1 FL2C.3 | length 2.4
  L1 w0.304: C28C.1@-34.08,-35.794 -33.439,-35.153 -32.2,-35.153 FL2C.3@-32.05,-35.003
NetC28C_2: C28C.2 IC3C.4 | length 3.2
  L1 w0.3: IC3C.4@-37.976,-35.878 -37.643,-35.878 -37.475,-36.046 -36.257,-36.046 -36.005,-35.794 C28C.2@-34.98,-35.794
NetC28D_1: C28D.1 FL2D.3 | length 2.4
  L1 w0.304: C28D.1@-34.08,-52.794 -33.289,-52.003 FL2D.3@-32.05,-52.003
NetC28D_2: C28D.2 IC3D.4 | length 3.3
  L1 w0.3: IC3D.4@-38.05,-52.878 -37.643,-52.878 -37.429,-53.092 -37.405,-53.068 -35.449,-53.068 C28D.2@-35.175,-52.794 ; C28D.2@-35.157,-52.776 C28D.2@-35.175,-52.794 ; C28D.2@-34.98,-52.794 C28D.2@-35.175,-52.794
NetC29A_1: C29A.1 IC5A.3 L1A.3 | length 7.4
  L1 w0.3: C29A.1@-56.55,-1.928 -55.504,-1.928 -55.17,-1.594 L1A.3@-55.17,-0.759 -55.17,0.577 -53.9,1.847 IC5A.3@-51.985,1.847
NetC29A_2: C29A.2 IC23A.3 | length 1.4
  L1 w0.3: IC23A.3@-58.771,-1.967 -58.705,-1.901 -57.932,-1.901 -57.866,-1.967 -57.49,-1.967 C29A.2@-57.45,-1.928
NetC29B_1: C29B.1 IC5B.3 L1B.3 | length 7.4
  L1 w0.3: C29B.1@-56.55,-18.928 -55.504,-18.928 -55.17,-18.594 L1B.3@-55.17,-17.759 -55.17,-16.423 -53.9,-15.153 IC5B.3@-51.985,-15.153
NetC29B_2: C29B.2 IC23B.3 | length 1.3
  L1 w0.3: IC23B.3@-58.771,-18.967 -57.49,-18.967 C29B.2@-57.45,-18.928
NetC29C_1: C29C.1 IC5C.3 L1C.3 | length 7.4
  L1 w0.3: C29C.1@-56.55,-35.928 -55.504,-35.928 -55.17,-35.594 L1C.3@-55.17,-34.759 -55.17,-33.423 -53.9,-32.153 IC5C.3@-51.985,-32.153
NetC29C_2: C29C.2 IC23C.3 | length 1.3
  L1 w0.3: IC23C.3@-58.771,-35.967 -57.49,-35.967 C29C.2@-57.45,-35.928
NetC29D_1: C29D.1 IC5D.3 L1D.3 | length 7.4
  L1 w0.3: C29D.1@-56.55,-52.928 -55.504,-52.928 -55.17,-52.594 L1D.3@-55.17,-51.759 -55.17,-50.423 -53.9,-49.153 IC5D.3@-51.985,-49.153
NetC29D_2: C29D.2 IC23D.3 | length 1.3
  L1 w0.3: IC23D.3@-58.771,-52.967 -57.49,-52.967 C29D.2@-57.45,-52.928
NetC36A_1: C36A.1 IC3A.15 | length 1.2
  L1 w0.3: C36A.1@-43.35,-1.928 -42.762,-1.928 -42.712,-1.878 -42.37,-1.878 IC3A.15@-42.15,-1.878
NetC36A_2: C36A.2 IC17A.2 | length 1.9
  L1 w0.3: IC17A.2@-45.05,-0.328 -45.05,-1.128 C36A.2@-44.25,-1.928
NetC36B_1: C36B.1 IC3B.15 | length 1.3
  L1 w0.3: C36B.1@-43.35,-18.928 -42.607,-18.928 -42.607,-18.878 IC3B.15@-42.15,-18.878 IC3B.15@-42.142,-18.878
NetC36B_2: C36B.2 IC17B.2 | length 1.9
  L1 w0.3: IC17B.2@-45.05,-17.328 -45.05,-18.128 C36B.2@-44.25,-18.928
NetC36C_1: C36C.1 IC3C.15 | length 1.1
  L1 w0.3: C36C.1@-43.209,-35.91 -43.176,-35.878 IC3C.15@-42.15,-35.878
NetC36C_2: C36C.2 IC17C.2 | length 1.9
  L1 w0.3: IC17C.2@-45.05,-34.328 -45.05,-35.128 C36C.2@-44.25,-35.928
NetC36D_1: C36D.1 IC3D.15 | length 1.6
  L1 w0.3: C36D.1@-43.394,-52.928 -43.343,-52.878 IC3D.15@-42.15,-52.878 IC3D.15@-42.497,-52.878
NetC36D_2: C36D.2 IC17D.2 | length 1.9
  L1 w0.3: IC17D.2@-45.05,-51.328 -45.05,-52.128 -44.272,-52.906 C36D.2@-44.25,-52.928